# Altium PCB Electronic Load 20251111.PcbDoc (part 3 of 6) (continued)
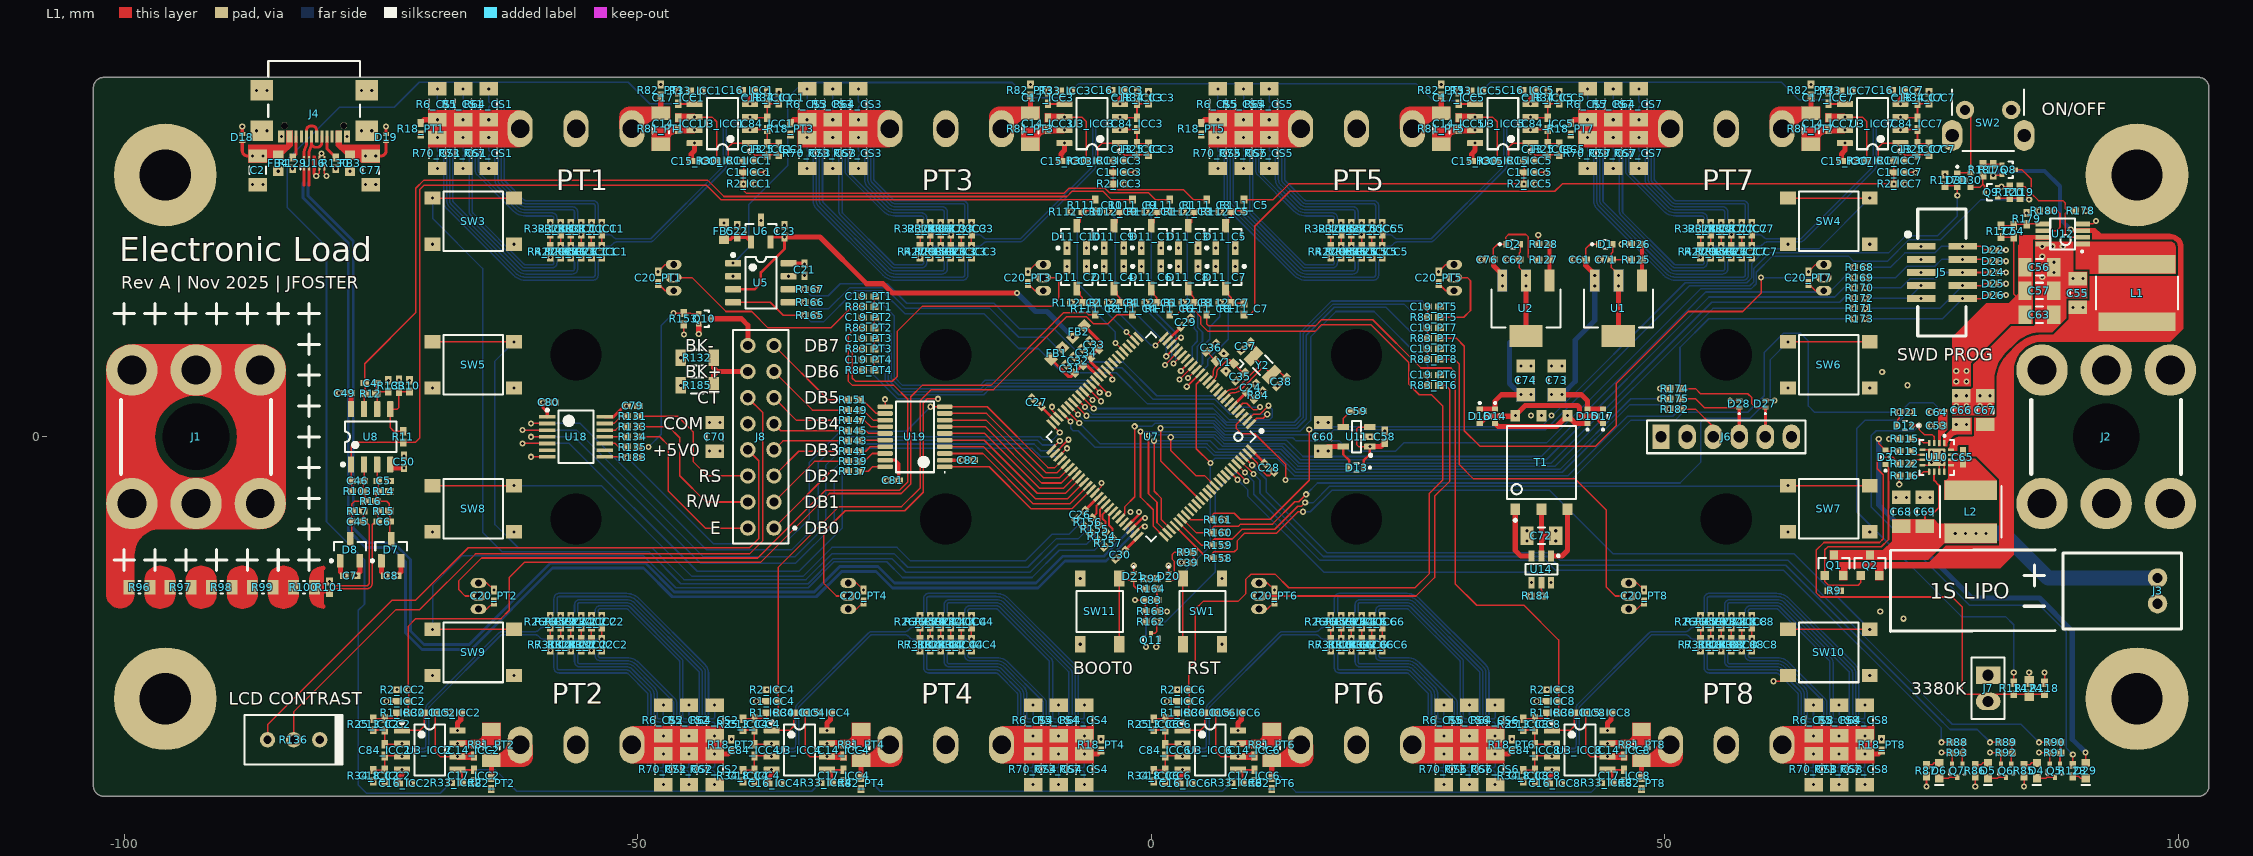
[diagram p0: L1 view]
## Nets (pads, with @x,y where several pads share a name; then routed paths per layer and width w, separated by ;. In a path a pad name is that pad's centre, name@x,y a point inside that pad or via, vN(x,y) a via of type N, cw(c..) or ccw(c..) an arc to the next point about the centre after c; other vN are vias at no path point) (continued)
+5V0: C54.2 C56.2 C57.2 C58.2 C63.2 C70.2 C72.2 C79.2 C81.2 D13.1 J8.8 R132.2 R136.3 R177.2 R185.2 T1.2 U11.1 U11.3 U12.7 U14.2 U18.14 U19.19 | length 272.7
  L1 w0.15: R136.3@-86.04,-29.5 -86.04,-28.04 -73.9,-15.9 -71.6,-15.9 -66.5,-10.8 -39.1,-10.8 -38.2,-9.9 -38.2,-2.34 J8.8@-39.27,-1.27 ; v1(21.3,-0.95) 20.2,-0.95 20,-0.75 20,0.75 20.2,0.95 U11.3@21.3,0.95 ; R177.2@82.75,19.45 83.975,19.45 C54.2@84,19.425 84,13.9 84.2,13.7 84.8,13.7 C57.2@85.1,14
  L1 w0.25: D13.1@20.7,-3 20.7,-2.3 21.3,-1.7 v1(21.3,-0.95)
  L1 w0.3: U18.14@-53.2,1.95 -52.35,1.95 -51.3,3 v1(-51.075,3) ; U19.19@-25.9,-2.275 -24.925,-2.275 -24.575,-2.625 v1(-24.575,-4.25)
  L1 w0.5: v1(21.3,-0.95) 22.375,-0.95 C58.2@22.75,-0.575 ; U14.2@38,-11.6 38,-10.1 38.45,-9.65 ; T1.2@38,-7.07 38,-9.2 38.45,-9.65 ; C72.2@39.4,-9.65 38.45,-9.65
  L4 w1: v1(-51.075,3) -51.075,4.025 -50.1,5 v1(-45.8,5) ; v1(-45.8,7.7) v1(-45.8,5) ; v1(-43,-1.4) -44.7,-1.4 -45.8,-0.3 v1(-45.8,5) ; -42.5,-2.05 -42.5,-9.3 -40.5,-11.3 -29.2,-11.3 -24.575,-6.675 v1(-24.575,-4.25) -17.363,-4.25 -15.694,-5.919 13.069,-5.919 14.988,-4 20.3,-4 21.3,-3 v1(21.3,-0.95) 24.666,-0.95 30.716,-7 39.4,-7 ; v1(-42,-1.4) -39.4,-1.4 J8.8@-39.27,-1.27 ; v1(39.4,-9.15) 39.4,-7 ; 78.9,5.9 79.4,5.9 80.154,5.9 81.597,4.457 81.597,-3.003 80.5,-4.1 75,-4.1 74.1,-3.2 71.6,-3.2 70.3,-4.5 41.9,-4.5 39.4,-7
  other v1: 39.4,-10.15 78.4,5.4 79.4,5.4 78.4,6.4 79.4,6.4
+15VA: C7.2 C8.2 C15_ICC1.2 C15_ICC2.2 C15_ICC3.2 C15_ICC4.2 C15_ICC5.2 C15_ICC6.2 C15_ICC7.2 C15_ICC8.2 C49.2 C71.2 D1.2 D7.2 D8.2 R125.2 U1.2 U1.4 U3_ICC1.8 U3_ICC2.8 U3_ICC3.8 U3_ICC4.8 U3_ICC5.8 U3_ICC6.8 U3_ICC7.8 U3_ICC8.8 U8.8 | length 587.8
  L1 w0.15: C71.2@44.824,17.25 44.824,17.878 44.949,18.003 D1.2@44.949,18.75 ; U1.2@45.5,15.2 v1(45.5,15.7) 45.5,15.8 44.824,16.476 C71.2@44.824,17.25 R125.2@46.699,17.25
  L1 w0.5: v1(-77.925,4.25) -77.905,4.23 U8.8@-77.905,2.7 ; v1(-77.425,-13.525) -77.05,-13.15 D8.2@-77.05,-12.075 ; v1(-73.425,-13.525) -73.05,-13.15 D7.2@-73.05,-12.075 ; v1(-67.55,-28.595) -67.55,-27.873 -67.225,-27.548 C15_ICC2.2@-67.225,-26.85 ; C15_ICC1.2@-44.775,26.85 -44.775,27.548 -44.45,27.873 v1(-44.45,28.595) ; v1(-31.55,-28.595) -31.55,-27.873 -31.225,-27.548 C15_ICC4.2@-31.225,-26.85 ; C15_ICC3.2@-8.775,26.85 -8.775,27.548 -8.45,27.873 v1(-8.45,28.595) ; v1(8.45,-28.595) 8.45,-27.873 8.775,-27.548 C15_ICC6.2@8.775,-26.85 ; C15_ICC5.2@31.225,26.85 31.225,27.548 31.55,27.873 v1(31.55,28.595) ; v1(44.45,-28.595) 44.45,-27.873 44.775,-27.548 C15_ICC8.2@44.775,-26.85 ; U1.4@45.5,9.8 v1(45.5,14.7) U1.2@45.5,15.2 ; C15_ICC7.2@67.225,26.85 67.225,27.548 67.55,27.873 v1(67.55,28.595)
  L3 w0.5: v1(-77.925,4.25) -75.95,4.25 -71.2,-0.5 -71.2,-3.8 -74.35,-6.95 -74.35,-12.6 ; v1(-77.425,-13.525) -76.5,-12.6 -74.35,-12.6 ; v1(-67.55,-28.595) -66.546,-28.595 -62.183,-32.958 -49.158,-32.958 -48,-31.8 -41.319,-31.8 -38.114,-28.595 v1(-31.55,-28.595) -30.405,-28.595 -25.931,-33.069 -13.599,-33.069 -12.445,-31.915 -5.803,-31.915 -2.483,-28.595 v1(8.45,-28.595) 9.795,-28.595 14.453,-33.253 25.982,-33.253 27.347,-31.888 34.544,-31.888 37.837,-28.595 v1(44.45,-28.595) 45.319,-28.595 49.63,-32.907 62.61,-32.907 63.62,-31.896 70.976,-31.896 76,-26.872 76,-22.169 72.169,-18.338 72.169,-11.97 ; v1(-44.45,28.595) -37.505,28.595 -34.342,31.758 -27.611,31.758 -26.369,33 -13.896,33 -9.492,28.595 v1(-8.45,28.595) 1.42,28.595 4.682,31.857 12.635,31.857 13.609,32.831 26.42,32.831 30.656,28.595 v1(31.55,28.595) 41.784,28.595 46.502,33.312 62.268,33.312 66.986,28.595 v1(67.55,28.595) 67.55,23.081 72.411,18.22 72.411,9 ; v1(45.5,14.7) 45.5,13.9 45.9,13.5 61.415,13.5 65.915,9 72.411,9 ; -74.35,-12.6 v1(-73.425,-13.525) -70.525,-13.525 -68.1,-11.1 -61.225,-11.1 -58.602,-13.723 -35.898,-13.723 -32.975,-10.8 -23.9,-10.8 -23.074,-11.626 -12.488,-11.626 -10.375,-9.513 -10.375,-7.375 -8.318,-5.318 7.421,-5.318 14.073,-11.97 72.169,-11.97 ; 72.169,-11.97 72.169,-9.249 68.392,-5.471 68.392,1.345 72.411,5.364 72.411,9
+19V: C61.2 C73.2 D1.1 D15.2 D17.2 U1.3 | length 22.4
  L1 w0.15: C61.2@42.324,17.25 42.324,18.324 42.75,18.75 D1.1@43.549,18.75
  L1 w0.5: C73.2@39.5,4.1 41.9,4.1 42.5,3.5 D15.2@42.5,2.7 D17.2@44,2.7 ; C61.2@42.324,17.25 42.324,16.676 43.2,15.8 v1(43.2,15.7) U1.3@43.2,15.2
  L6 w0.5: v1(40,4.1) 41.3,5.4 41.3,9.419 43.2,11.319 v1(43.2,14.7)
  other v1: 39,4.1
-5V0A: C7.1 C8.1 C16_ICC1.2 C16_ICC2.2 C16_ICC3.2 C16_ICC4.2 C16_ICC5.2 C16_ICC6.2 C16_ICC7.2 C16_ICC8.2 C50.2 C76.2 D2.1 D7.1 D8.1 R127.2 U2.3 U3_ICC1.4 U3_ICC2.4 U3_ICC3.4 U3_ICC4.4 U3_ICC5.4 U3_ICC6.4 U3_ICC7.4 U3_ICC8.4 U8.4 | length 590.9
  L1 w0.15: C76.2@33.324,17.25 33.324,18.324 33.75,18.75 D2.1@34.549,18.75 34.549,19.449 34.8,19.7 36.5,19.7 36.7,19.5 36.7,17.5 36.95,17.25 R127.2@37.699,17.25
  L1 w0.5: D8.1@-78.95,-12.075 -78.95,-13.15 v1(-78.575,-13.525) ; D7.1@-74.95,-12.075 -74.95,-13.15 v1(-74.575,-13.525) ; U8.4@-74.095,-2.7 -74.095,-3.025 v1(-72.75,-3.025) ; C16_ICC2.2@-73.275,-33.75 -73.275,-33.225 -72.95,-32.9 v1(-72.95,-32.405) ; v1(-39.05,32.405) -39.05,32.9 -38.725,33.225 C16_ICC1.2@-38.725,33.75 ; C16_ICC4.2@-37.275,-33.75 -37.275,-33.225 -36.95,-32.9 v1(-36.95,-32.405) ; v1(-3.05,32.405) -3.05,32.9 -2.725,33.225 C16_ICC3.2@-2.725,33.75 ; C16_ICC6.2@2.725,-33.75 2.725,-33.225 3.05,-32.9 v1(3.05,-32.405) ; C76.2@33.324,17.25 33.324,16.676 34.2,15.8 v1(34.2,15.7) U2.3@34.2,15.2 ; v1(36.95,32.405) 36.95,32.9 37.275,33.225 C16_ICC5.2@37.275,33.75 ; C16_ICC8.2@38.725,-33.75 38.725,-33.225 39.05,-32.9 v1(39.05,-32.405) ; v1(72.95,32.405) 72.95,32.9 73.275,33.225 C16_ICC7.2@73.275,33.75
  L3 w0.5: v1(-72.95,-32.405) -64.231,-32.405 -62.724,-33.911 -48.811,-33.911 -47.6,-32.7 -40.9,-32.7 -40.605,-32.405 v1(-36.95,-32.405) -28.195,-32.405 -26.548,-34.052 -12.947,-34.052 -11.813,-32.918 -5.211,-32.918 -4.698,-32.405 v1(3.05,-32.405) 10.942,-32.405 12.694,-34.157 26.743,-34.157 27.959,-32.941 35.114,-32.941 35.65,-32.405 v1(39.05,-32.405) 47.678,-32.405 49.104,-33.831 63.119,-33.831 64.112,-32.838 71.641,-32.838 77.266,-27.213 77.266,-21.698 v1(73.278,-17.71) 73.278,-8.762 69.543,-5.027 69.543,0.93 v1(73.636,5.023) 73.636,18.767 71.074,21.328 71.074,30.529 v1(72.95,32.405) 64.695,32.405 62.9,34.2 44.101,34.2 42.305,32.405 v1(36.95,32.405) 28.337,32.405 26.986,33.756 13.067,33.756 12.059,32.747 4.15,32.747 3.807,32.405 v1(-3.05,32.405) -11.741,32.405 -13.221,33.885 -26.745,33.885 -28.06,32.57 -34.75,32.57 -34.915,32.405 v1(-39.05,32.405) ; v1(-72.75,-3.025) -74.213,-3.025 -75.2,-4.012 -75.2,-10.9 -76.1,-11.8 -76.85,-11.8 v1(-78.575,-13.525) -77.7,-14.4 -75.45,-14.4 v1(-74.575,-13.525) -73.8,-14.3 -70,-14.3 -67.8,-12.1 -61.6,-12.1 -59,-14.7 -35.5,-14.7 -32.6,-11.8 -24.2,-11.8 -23.307,-12.693 -12.029,-12.693 -9.2,-9.865 -9.2,-7.862 -7.656,-6.318 6.818,-6.318 13.564,-13.064 67.064,-13.064 v1(71,-17) ; v1(34.2,14.7) 34.2,13.5 35.225,12.475 60.84,12.475 67.008,6.307 v1(71.186,6.307)
  L4 w0.5: v1(71,-17) 71.786,-17 72.497,-17.71 v1(73.278,-17.71) ; v1(71.186,6.307) 71.774,6.307 73.058,5.023 v1(73.636,5.023)
-19V: C62.2 C74.2 D2.2 D14.1 D16.1 U2.2 U2.4 | length 26.5
  L1 w0.15: D2.2@35.949,18.75 35.949,18.003 35.824,17.878 C62.2@35.824,17.25 35.824,16.476 36.5,15.8 v1(36.5,15.7) U2.2@36.5,15.2
  L1 w0.5: D16.1@32,2.7 D14.1@33.5,2.7 33.5,3.5 34.1,4.1 C74.2@36.5,4.1 ; U2.4@36.5,9.8 v1(36.5,14.7) U2.2@36.5,15.2
  L6 w0.5: v1(36,4.1) 34.9,5.2 34.9,9.155 36.5,10.755 v1(36.5,14.7)
  other v1: 37,4.1
ADC.CH1: R112_C1.1 U7.20 | length 17.3
  L1 w0.15: v1(2.181,7.131) U7.20@3.005,7.955
  L6 w0.15: v1(-0.55,21.925) 0,21.375 0,12.515 2.392,10.123 2.392,7.342 v1(2.181,7.131)
ADC.CH2: R112_C2.1 U7.30 | length 7.7
  L1 w0.15: v1(-3.476,9.133) U7.30@-2.652,8.308
  L6 w0.15: v1(-7.79,13.075) -6.375,13.075 -3.476,10.176 v1(-3.476,9.133)
ADC.CH3: R112_C3.1 U7.17 | length 19.9
  L1 w0.15: v1(2.757,5.586) U7.17@4.066,6.894
  L6 w0.15: v1(2.757,5.586) 4.5,7.328 4.5,8.8 5,9.3 5,10.175 4.532,10.644 4.532,12.29 3.5,13.322 3.5,21.495 v1(3.07,21.925)
ADC.CH4: R112_C4.1 U7.25 | length 7.5
  L1 w0.15: v1(0.413,8.898) U7.25@1.237,9.723
  L6 w0.15: v1(-4.17,13.075) 0.007,8.898 v1(0.413,8.898)
ADC.CH5: R112_C5.1 U7.15 | length 20.9
  L1 w0.15: v1(3.464,4.879) U7.15@4.773,6.187
  L6 w0.15: v1(3.464,4.879) 5.5,6.914 5.5,7.5 7.5,9.5 7.5,21.115 v1(6.69,21.925)
ADC.CH6: R112_C6.1 U7.21 | length 9.3
  L1 w0.15: v1(1.343,7) U7.21@2.652,8.308
  L6 w0.15: v1(-0.55,13.075) -0.55,12.429 2,9.879 2,7.657 v1(1.343,7)
ADC.CH7: R112_C7.1 U7.16 | length 9.8
  L1 w0.15: v1(3.595,5.716) U7.16@4.419,6.541
  L6 w0.15: v1(3.595,5.716) 5,7.121 5,8.8 5.7,9.5 5.7,10.7 6.69,11.69 v1(6.69,13.075)
ADC.CH8: R112_C8.1 U7.18 | length 9.1
  L1 w0.15: v1(2.888,6.424) U7.18@3.712,7.248
  L6 w0.15: v1(2.888,6.424) 4,7.536 4,8.8 4.5,9.3 4.5,10.228 4.216,10.512 4.216,11.929 v1(3.07,13.075)
ADC.CH9: R112_C9.1 U7.22 | length 17.6
  L1 w0.15: v1(1.474,7.838) U7.22@2.298,8.662
  L6 w0.15: v1(-4.17,21.925) -3.5,21.255 -3.5,14 1.474,9.026 v1(1.474,7.838)
ADC.CH10: R112_C10.1 U7.27 | length 15.1
  L1 w0.15: v1(-2.415,10.193) U7.27@-1.591,9.369
  L6 w0.15: v1(-7.79,21.925) -7.2,21.335 -7.2,14.978 v1(-2.415,10.193)
BOOT0: Q11.3 R162.2 U7.95 | length 23
  L1 w0.15: Q11.3@0,-19.15 0.35,-19.15 0.55,-18.95 v1(0.55,-18) ; U7.95@7.955,-3.005 v1(9.263,-4.314)
  L6 w0.15: v1(0.55,-18) 1.4,-18 6.258,-13.142 6.258,-5.35 8.06,-3.548 8.497,-3.548 v1(9.263,-4.314)
BTN.B1: R154.1 SW3.3 SW3.4 U7.67 | length 111.2
  L1 w0.15: v1(-69.975,23.25) SW3.3@-62.025,23.25
  L1 w0.2: v1(-4.437,-9.281) -4.437,-8.291 -4.728,-8 -4.728,-7.556 U7.67@-4.066,-6.894
  L6 w0.15: v1(-69.975,23.25) -69.975,21.275 -65.1,16.4 -65.1,-9.3 -63.2,-11.2 -48.9,-11.2 -45.8,-14.3 -33.4,-14.3 -30.993,-11.893 -25.207,-11.893 -23.9,-13.2 -11.8,-13.2 -9.054,-10.454 -6.282,-10.454 -5.109,-9.281 v1(-4.437,-9.281)
BTN.B2: R155.1 SW5.3 SW5.4 U7.66 | length 93.2
  L1 w0.15: SW5.4@-69.975,9.25 v1(-62.025,9.25)
  L1 w0.2: v1(-5.109,-8.609) -5,-8.5 -5,-7.121 U7.66@-4.419,-6.541
  L6 w0.15: v1(-62.025,9.25) -63.9,7.375 -63.9,-8.538 -61.638,-10.8 -48.6,-10.8 -45.5,-13.9 -33.6,-13.9 -31.1,-11.4 -25.002,-11.4 -23.696,-12.707 -12.004,-12.707 -9.211,-9.914 -7.085,-9.914 -5.781,-8.609 v1(-5.109,-8.609)
BTN.B3: R156.1 SW8.3 SW8.4 U7.65 | length 73.5
  L1 w0.15: SW8.4@-69.975,-4.75 v1(-62.025,-4.75)
  L1 w0.2: v1(-5.781,-7.937) -5.3,-7.457 -5.3,-6.714 U7.65@-4.773,-6.187
  L6 w0.15: v1(-62.025,-4.75) -53.55,-4.75 -44.7,-13.6 -33.9,-13.6 -31.075,-10.775 -24.743,-10.775 -23.437,-12.082 -12.263,-12.082 -9.663,-9.482 -7.997,-9.482 -6.452,-7.937 v1(-5.781,-7.937)
BTN.B4: R157.1 SW9.3 SW9.4 U7.68 | length 87.1
  L1 w0.15: v1(-69.975,-18.75) SW9.3@-62.025,-18.75
  L1 w0.2: v1(-3.765,-9.953) -3.765,-8.935 -4.1,-8.6 -4.1,-7.636 U7.68@-3.712,-7.248
  L6 w0.15: v1(-69.975,-18.75) -69.975,-14.475 -67.1,-11.6 -49.4,-11.6 -46.3,-14.7 -33.4,-14.7 -30.875,-12.175 -25.749,-12.175 -24.224,-13.7 -11.6,-13.7 -8.939,-11.039 -5.523,-11.039 -4.437,-9.953 v1(-3.765,-9.953)
BTN.B5: R161.1 SW4.3 SW4.4 U7.82 | length 92.2
  L1 w0.15: U7.82@3.359,-7.601 3.832,-8.075 R161.1@5.975,-8.075 5.975,-7.6 6.125,-7.45 8.094,-7.45 8.668,-8.024 11.596,-8.024 15.4,-4.22 v1(15.4,0.7) ; SW4.4@62.025,23.25 v1(69.975,23.25)
  L6 w0.15: v1(15.4,0.7) 17.4,0.7 17.7,1 38,1 52,15 58,15 58.5,15.5 58.5,16.9 59.9,18.3 65.025,18.3 v1(69.975,23.25)
BTN.B6: R160.1 SW6.3 SW6.4 U7.81 | length 80
  L1 w0.15: U7.81@3.005,-7.955 4.375,-9.325 R160.1@5.975,-9.325 5.975,-8.85 6.125,-8.7 8.499,-8.7 8.699,-8.5 11.827,-8.5 13.996,-6.331 14.369,-6.331 v1(15.1,-5.6) ; v1(62.025,9.25) SW6.3@69.975,9.25
  L6 w0.15: v1(15.1,-5.6) 16.2,-4.5 51.5,-4.5 53.5,-2.5 53.5,1.4 53.9,1.8 58.31,1.8 60.3,3.79 60.3,7.525 v1(62.025,9.25)
BTN.B7: R159.1 SW7.3 SW7.4 U7.80 | length 70.9
  L1 w0.15: U7.80@2.652,-8.308 4.918,-10.575 R159.1@5.975,-10.575 5.975,-10.1 6.125,-9.95 7.888,-9.95 8.838,-9 12.034,-9 14.269,-6.766 14.634,-6.766 v1(15,-6.4) ; v1(62.025,-4.75) SW7.3@69.975,-4.75
  L6 w0.15: v1(15,-6.4) 15.8,-6.4 17.4,-4.8 v1@62.025,-4.8
BTN.B8: R158.1 SW10.3 SW10.4 U7.79 | length 86
  L1 w0.15: U7.79@2.298,-8.662 5.461,-11.825 R158.1@5.975,-11.825 5.975,-11.35 6.125,-11.2 8.1,-11.2 8.4,-10.9 8.4,-10.1 9.1,-9.4 12.2,-9.4 14.3,-7.3 v1(14.8,-7.3) ; SW10.4@62.025,-18.75 v1(69.975,-18.75)
  L6 w0.15: v1(14.8,-7.3) 15.5,-7.3 17.6,-5.2 38.8,-5.2 45,-11.4 62.625,-11.4 v1(69.975,-18.75)
COM: C1_ICC1.1 C1_ICC2.1 C1_ICC3.1 C1_ICC4.1 C1_ICC5.1 C1_ICC6.1 C1_ICC7.1 C1_ICC8.1 C2.1 C3.1 C5.1 C15_ICC1.1 C15_ICC2.1 C15_ICC3.1 C15_ICC4.1 C15_ICC5.1 C15_ICC6.1 C15_ICC7.1 C15_ICC8.1 C16_ICC1.1 C16_ICC2.1 C16_ICC3.1 C16_ICC4.1 C16_ICC5.1 C16_ICC6.1 C16_ICC7.1 C16_ICC8.1 C17_ICC1.1 C17_ICC2.1 C17_ICC3.1 C17_ICC4.1 C17_ICC5.1 C17_ICC6.1 C17_ICC7.1 C17_ICC8.1 C18_ICC1.1 C18_ICC2.1 C18_ICC3.1 C18_ICC4.1 C18_ICC5.1 C18_ICC6.1 C18_ICC7.1 C18_ICC8.1 C19_PT1.1 C19_PT2.1 C19_PT3.1 C19_PT4.1 C19_PT5.1 C19_PT6.1 C19_PT7.1 C19_PT8.1 C20_PT1.1 C20_PT2.1 C20_PT3.1 C20_PT4.1 C20_PT5.1 C20_PT6.1 C20_PT7.1 C20_PT8.1 C21.1 C22.1 C23.1 C24.1 C26.1 C27.1 C28.1 C29.1 C30.1 C31.1 C32.1 C33.1 C34.1 C35.1 C36.1 C37.1 C38.1 C39.1 C49.1 C50.1 C53.1 C55.1 C56.1 C57.1 C58.1 C59.1 C60.1 C61.1 C62.1 C63.1 C64.1 C66.1 C67.1 C68.1 C69.1 C70.1 C71.1 C72.1 C73.1 C74.1 C76.1 C77.1 C79.1 C80.1 C81.1 C82.1 D11_C1.1 D11_C2.1 D11_C3.1 D11_C4.1 D11_C5.1 D11_C6.1 D11_C7.1 D11_C8.1 D11_C9.1 D11_C10.1 D18.2 D19.2 D20.1 D21.1 D22.1 D23.1 D24.1 D25.1 D26.1 D27.2 D28.2 J3.2 J4.0 J4.A1/B12 J4.A12/B1 J5.1 J5.3 J5.5 J5.9 J6.1 J7.1 J8.10 pad.@96,25.5 pad.@96,-25.5 pad.@-96,25.5 pad.@-96,-25.5 Q5.2 Q6.2 Q7.2 Q9.2 Q10.2 Q11.2 R2_ICC1.1 R2_ICC2.1 R2_ICC3.1 R2_ICC4.1 R2_ICC5.1 R2_ICC6.1 R2_ICC7.1 R2_ICC8.1 R9.1 R10.2 R13.1 R14.2 R18_PT1.1 R18_PT2.1 R18_PT3.1 R18_PT4.1 R18_PT5.1 R18_PT6.1 R18_PT7.1 R18_PT8.1 R34_ICC1.1 R34_ICC2.1 R34_ICC3.1 R34_ICC4.1 R34_ICC5.1 R34_ICC6.1 R34_ICC7.1 R34_ICC8.1 R82_PT1.1 R82_PT2.1 R82_PT3.1 R82_PT4.1 R82_PT5.1 R82_PT6.1 R82_PT7.1 R82_PT8.1 R91.1 R92.1 R93.1 R115.1 R116.2 R118.1 R120.2 R124.1 R126.1 R128.1 R129.1 R130.1 R136.1 R153.1 R166.2 R167.2 R178.1 R179.1 R180.1 R183.1 R184.2 SW1.1 SW1.2 SW2.0 SW2.1 SW3.1 SW3.2 SW4.1 SW4.2 SW5.1 SW5.2 SW6.1 SW6.2 SW7.1 SW7.2 SW8.1 SW8.2 SW9.1 SW9.2 SW10.1 SW10.2 SW11.1 SW11.2 T1.5 U4_PT1.3 U4_PT2.3 U4_PT3.3 U4_PT4.3 U4_PT5.3 U4_PT6.3 U4_PT7.3 U4_PT8.3 U5.2 U5.7 U6.3 U7.23 U7.35 U7.48 U7.63 U7.74 U7.99 U10.5 U10.8 U10.11 U10.12 U10.17 U11.2 U12.4 U12.8 U14.4 U14.6 U16.3 U16.4 U16.5 U16.6 U16.7 U16.8 U18.7 U19.11 Y1.2 Y1.4 | length 70.2
  L1 w0.15: v1(-81.3,25.4) -81,25.7 U16.4@-81,26.232 ; U16.7@-81,27.067 -81,27.4 v1(-80.8,27.6) -80.5,27.3 U16.6@-80.5,27.067 ; U16.5@-80.5,26.232 -80.5,25.6 v1(-80.3,25.4) ; v1(-74.45,-25.75) C1_ICC2.1@-73.45,-25.75 ; U4_PT2.3@-65.5,-16.77 -64.695,-16.77 v1(-64,-16.075) ; v1(-60.4,-1.95) U18.7@-58.8,-1.95 ; v1(-48,16.075) -47.305,16.77 U4_PT1.3@-46.5,16.77 ; v1(-45.5,9.95) R153.1@-45.5,10.95 ; C1_ICC1.1@-38.55,25.75 v1(-37.55,25.75) ; v1(-38.45,-25.75) C1_ICC4.1@-37.45,-25.75 ; U4_PT4.3@-29.5,-16.77 -28.695,-16.77 v1(-28,-16.075) ; U19.11@-25.9,2.925 v1(-25.9,3.65) ; v1(-12,16.075) -11.305,16.77 U4_PT3.3@-10.5,16.77 ; v1(-9.653,2.921) -9.653,2.582 U7.48@-9.016,1.945 ; U7.63@-5.48,-5.48 -4.843,-4.843 v1(-4.843,-4.503) ; U7.35@-4.419,6.541 -3.782,5.903 v1(-3.782,5.564) ; C1_ICC3.1@-2.55,25.75 v1(-1.55,25.75) ; D21.1@-1.7,-13.25 v1(-1.7,-12.55) ; U7.74@-1.591,-9.369 -0.954,-8.732 v1(-0.614,-8.732) ; v1(1.55,-25.75) C1_ICC6.1@2.55,-25.75 ; D20.1@1.7,-13.25 v1(1.7,-12.55) ; U7.23@1.945,9.016 2.582,9.653 v1(2.921,9.653) ; U7.99@9.369,-1.591 10.4,-2.622 10.4,-2.9 11.266,-3.766 11.543,-3.766 v1(11.897,-3.412) ; U4_PT6.3@10.5,-16.77 11.305,-16.77 v1(12,-16.075) ; v1(28,16.075) 28.695,16.77 U4_PT5.3@29.5,16.77 ; C1_ICC5.1@37.45,25.75 v1(38.45,25.75) ; v1(37.55,-25.75) C1_ICC8.1@38.55,-25.75 ; R128.1@37.699,18.75 v1(37.699,19.65) ; v1(45.799,18.75) R126.1@46.699,18.75 ; U4_PT8.3@46.5,-16.77 47.305,-16.77 v1(48,-16.075) ; v1(56.37,3.55) D28.2@57.27,3.55 ; D27.2@59.81,3.55 v1(60.71,3.55) ; v1(60.6,-23.8) 61.475,-23.8 SW10.2@62.025,-23.25 ; v1(64,16.075) 64.695,16.77 U4_PT7.3@65.5,16.77 ; v1(71.85,-0.2) R115.1@72.85,-0.2 ; v1(72.85,-4.625) R116.2@72.85,-3.8 ; C1_ICC7.1@73.45,25.75 v1(74.45,25.75) ; U10.8@75.1,-2.75 75.75,-2.75 v1(76,-2.5) ; U10.5@75.1,-1.25 75.75,-1.25 v1(76,-1.5) ; U10.11@76.75,-3.4 76.75,-2.75 v1(77,-2.5) 77.25,-2.75 U10.12@77.25,-3.4 ; v1(76.95,-30.75) R93.1@77.95,-30.75 78,-30.8 Q7.2@78,-31.85 ; v1(81.7,-30.75) R92.1@82.7,-30.75 82.75,-30.8 Q6.2@82.75,-31.85 ; D26.1@82.35,13.8 v1(83.25,13.8) ; D25.1@82.35,14.9 v1(83.25,14.9) ; D24.1@82.35,16 83.2,16 83.25,15.95 v1(83.25,16) ; D23.1@82.35,17.1 v1(83.25,17.1) ; D22.1@82.35,18.2 v1(83.25,18.2) ; Q9.2@82.45,24.3 82.75,24.3 v1(82.8,24.35) R120.2@83.6,24.35 ; R124.1@85.5,-23.825 v1(85.5,-22.95) ; v1(86.45,-30.75) R91.1@87.45,-30.75 87.5,-30.8 Q5.2@87.5,-31.85 ; R118.1@87,-23.95 v1(87,-22.95) ; U12.4@90.725,20.725 91.725,20.725 v1(92,21)
  L1 w0.3: D18.2@-88.5,29.5 v1(-88.5,30.2) ; U16.3@-81.5,26.5 -81.5,25.6 v1(-81.3,25.4) ; D19.2@-74.5,29.5 v1(-74.5,30.2)
  L1 w0.5: v1(-44.05,10) Q10.2@-44.05,11
  other v1: -64.25,-34.3 -28.25,-34.3 11.75,-34.3 47.75,-34.3 28.5,-33.875 -72.125,-33.75 -36.125,-33.75 3.875,-33.75 39.875,-33.75 -74.625,-33.575 -65.95,-33.575 -38.625,-33.575 -29.95,-33.575 1.375,-33.575 10.05,-33.575 37.375,-33.575 46.05,-33.575 -75.75,-33.55 -39.75,-33.55 0.25,-33.55 -40.875,-29.45 -4.875,-29.45 35.125,-29.45 71.125,-29.45 -68.375,-26.85 -32.375,-26.85 7.625,-26.85 43.625,-26.85 28.5,-26.125 -73.425,-24.625 -37.425,-24.625 2.575,-24.625 38.575,-24.625 -69.975,-23.25 -62.025,-23.25 69.975,-23.25 0.5,-20.45 -6.9,-20.2 6.9,-20.2 36.95,-15.5 67.05,-15 37.05,-14.2 38.95,-14.2 -6.9,-13.8 6.9,-13.8 2.975,-12.25 -3.412,-11.897 36.6,-10.15 -69.975,-9.25 -62.025,-9.25 62.025,-9.25 69.975,-9.25 36.6,-9.15 -7.301,-8.008 -2.014,-7.332 72.55,-5.9 73.55,-5.9 74.85,-5.9 75.85,-5.9 -74.18,-5.325 -74.155,-4.3 -25.725,-4.25 -17.275,-2.275 -49.95,-2 -72.75,-1.875 77,-1.5 21.3,0 22.75,0.575 75.925,1.1 -43,1.4 -42,1.4 16.25,1.4 17.25,1.4 37,2.07 38,2.07 39,2.07 75.925,2.4 20.575,2.5 -49.925,3 78.4,3 79.4,3 80.7,3 81.7,3 -58.075,3.35 -11.544,3.765 78.4,4 79.4,4 80.7,4 81.7,4 -79.075,4.25 -69.975,4.75 -62.025,4.75 62.025,4.75 69.975,4.75 12.286,4.932 10.129,5.18 8.255,5.427 -74.275,5.5 -72.225,5.5 -73.25,5.525 28.075,6.025 7.283,6.399 36,6.9 37,6.9 39,6.9 40,6.9 -8.291,7.018 -28.075,7.525 -7.513,7.796 7.071,8.096 8.821,8.397 -6.735,8.574 28.075,8.575 6.24,9.069 -5.957,9.351 -28.075,9.575 28.075,10.625 3.765,11.544 -28.075,11.625 28.075,12.675 -32.65,13.095 74.98,13.46 -28.075,13.675 -32.65,14.365 89.75,15.4 90.75,15.4 86.775,15.55 -40.7,15.635 -35.3,15.635 -33.75,15.695 74.98,16 87.9,16 86.775,16.55 -6.29,16.6 -2.67,16.6 0.95,16.6 4.57,16.6 8.19,16.6 87.9,17 32.174,17.25 34.674,17.25 41.174,17.25 43.674,17.25 74.98,17.27 86.775,17.55 -8.19,18.4 -4.57,18.4 -0.95,18.4 2.67,18.4 6.29,18.4 74.98,18.54 86.775,18.55 87.775,18.55 88.775,18.55 -69.975,18.75 -62.025,18.75 62.025,18.75 69.975,18.75 -40.3,20.6 -35.7,20.6 -38,21.075 85.25,21.8 86.45,22 91.05,22 -87.5,24.55 -86.5,24.55 -76.5,24.55 -75.5,24.55 -38.575,24.625 -2.575,24.625 37.425,24.625 73.425,24.625 -83.6,26.1 -79.4,26.1 -43.625,26.85 -7.625,26.85 32.375,26.85 68.375,26.85 -84.7,29.229 -78.3,29.229 -71.125,29.45 -35.125,29.45 4.875,29.45 40.875,29.45 -87.11,29.804 -86.11,29.804 -76.89,29.804 -75.89,29.804 -36.25,33.55 -0.25,33.55 39.75,33.55 75.75,33.55 -46.05,33.575 -37.375,33.575 -10.05,33.575 -1.375,33.575 29.95,33.575 38.625,33.575 65.95,33.575 74.625,33.575 -87.11,33.734 -86.11,33.734 -76.89,33.734 -75.89,33.734 -39.875,33.75 -3.875,33.75 36.125,33.75 72.125,33.75 -47.75,34.3 -11.75,34.3 28.25,34.3 64.25,34.3
DAC.CS_N: R165.2 U5.4 U7.2 | length 63.8
  L1 w0.15: U5.4@-40.7,13.095 -37.095,13.095 -35.825,11.825 v1(-33.75,11.825) ; U7.2@9.369,1.591 9.971,2.193 10.6,2.193 v1(11.438,3.031)
  L6 w0.15: v1(-33.75,11.825) -33.115,11.19 -31.9,11.19 -28.865,14.225 -26.225,14.225 -24,12 -16.3,12 -12.9,8.6 -11,8.6 -8.647,6.247 -3.4,6.247 -0.353,3.2 6.065,3.2 7.586,1.679 11.551,1.679 11.804,1.933 11.804,2.664 v1(11.438,3.031)
DAC.SCLK: R166.1 U5.5 U7.1 | length 54.8
  L1 w0.15: U5.5@-35.3,13.095 v1(-33.75,13.095) ; U7.1@9.723,1.237 10.285,1.8 10.914,1.8 v1(11.307,2.193)
  L6 w0.15: v1(-33.75,13.095) -33.115,12.46 -31.405,12.46 -29.365,14.5 -25.9,14.5 -23.9,12.5 -15.7,12.5 -12.9,9.7 -10.195,9.7 -7.212,6.718 -2.871,6.718 0.204,3.643 6.247,3.643 7.697,2.193 v1(11.307,2.193)
DAC.SDI: R167.1 U5.6 U7.5 | length 54.6
  L1 w0.15: U5.6@-35.3,14.365 v1(-33.75,14.365) ; U7.5@8.308,2.652 8.924,3.267 9.318,3.267 9.972,2.614 10.314,2.614 v1(10.6,2.9)
  L6 w0.15: v1(-33.75,14.365) -33.115,13.73 -31.435,13.73 -30.265,14.9 -25.7,14.9 -23.8,13 -15.3,13 -12.8,10.5 -9.439,10.5 -6.223,7.283 -2.736,7.283 0.547,4 6.574,4 7.674,2.9 v1(10.6,2.9)
FTDI.RXD: D27.1 J6.5 R174.1 | length 12.2
  L1 w0.15: R174.1@51.55,4.7 53,4.7 53.5,4.2 58.1,4.2 58.5,3.8 58.5,3.2 58.85,2.85 D27.1@59.81,2.85
  L1 w0.3: J6.5@59.81,0 D27.1@59.81,2.85
FTDI.TXD: D28.1 J6.4 R175.1 | length 8.9
  L1 w0.15: R175.1@51.55,3.7 53,3.7 53.85,2.85 D28.1@57.27,2.85
  L1 w0.3: J6.4@57.27,0 D28.1@57.27,2.85
GPWR_EN: R184.1 U7.94 U14.5 | length 38.2
  L1 w0.15: U7.94@7.601,-3.359 v1(8.426,-4.183) ; U14.5@38,-14.2 38,-14.934 38.05,-14.984 v1(38.05,-15.5)
  L6 w0.15: v1(8.426,-4.183) 9.386,-5.144 9.386,-5.753 16.833,-13.2 37.6,-13.2 38.05,-13.65 v1(38.05,-15.5)
LATCH: R119.1 U7.86 | length 107.3
  L1 w0.15: v1(0.916,0.831) 0.916,-2.33 U7.86@4.773,-6.187 ; R119.1@84.6,24.35 85.086,24.35 85.3,24.136 85.3,23.3 v1(85.5,23.1)
  L6 w0.15: v1(0.916,0.831) 0.996,0.911 6.154,0.911 7.154,-0.088 13.788,-0.088 14.1,-0.4 18.332,-0.4 19.332,-1.4 23.8,-1.4 24.6,-0.6 38.5,-0.6 53.5,14.4 58.4,14.4 58.913,14.913 58.913,16.013 60.5,17.6 67.9,17.6 68.4,17.1 71.7,17.1 73.8,19.2 76.9,19.2 80.8,23.1 v1(85.5,23.1)
LCD.BKLT: U7.53 U18.5 | length 70.6
  L1 w0.15: v1(-61.2,-0.65) U18.5@-58.8,-0.65 ; U7.53@-9.016,-1.945 v1(-8.191,-1.12)
  L6 w0.15: v1(-61.2,-0.65) -56.65,-0.65 -44.2,-13.1 -34.3,-13.1 -30.1,-8.9 -30.1,-3.463 -27.744,-1.107 -11.593,-1.107 -10.75,-1.95 -9.021,-1.95 v1(-8.191,-1.12)
LCD.DB0: U7.62 U19.1 | length 16.7
  L1 w0.15: U19.1@-20.1,-2.925 -15.775,-2.925 -11.7,-7 -7.707,-7 U7.62@-5.834,-5.127
LCD.DB1: U7.61 U19.3 | length 16.7
  L1 w0.15: U19.3@-20.1,-1.625 -16.382,-1.625 -11.497,-6.51 -7.91,-6.51 U7.61@-6.18,-4.78